# KiCad board thisoneinitiald.kicad_pcb (continued)
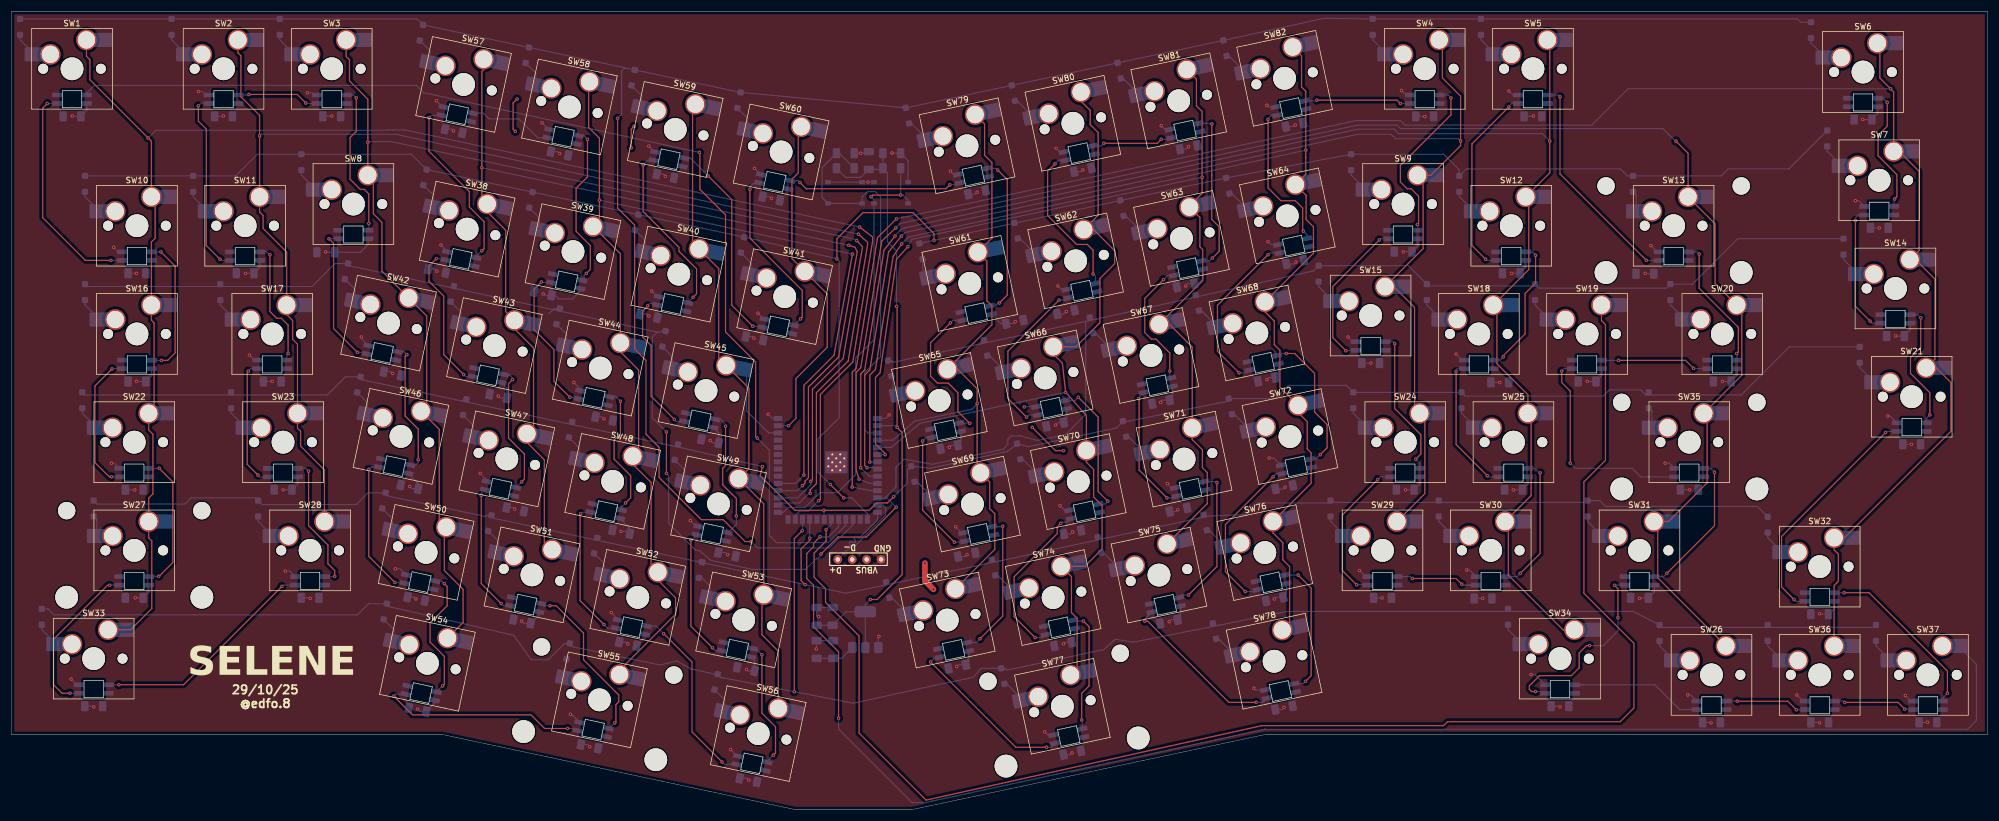
[diagram p0: board, top side]
## Placement (name value [footprint] x y rotation side) (continued)
SW80  SW_Push  [SW_Hotswap_Kailh_MX_Plated_1.00u]  188.29 126.31 12 top
SW81  SW_Push  [SW_Hotswap_Kailh_MX_Plated_1.00u]  206.93 130.27 12 top
SW82  SW_Push  [SW_Hotswap_Kailh_MX_Plated_1.00u]  225.56 134.23 12 top
U1  AMS1117-3.3  [SOT-223-3_TabPin2]  150.32 31.68 90 bottom
U2  -  [CUSTOM_USBC]  148.02 44.03 180 top
U3  -  [ESP32-S3-WROOM-1]  143.72 63.58 180 bottom

## Library data of the parts
C1-C7 LC1-LC82 = -: Description: Unpolarized capacitor; ki_fp_filters: C_*
D1-D82 = -: Description: Diode; Sim.Pins: 1=K 2=A; ki_fp_filters: TO-???* *_Diode_* *SingleDiode* D_*
LED1-LED82 = -: Datasheet: https://cdn-shop.adafruit.com/product-files/2686/SK6812MINI_REV.01-1-2.pdf; Description: RGB LED with integrated controller; ki_fp_filters: LED*SK6812MINI*PLCC*3.5x3.5mm*P1.75mm*
R1 R2 = -: Description: Resistor; ki_fp_filters: R_*
S1 S2 = -: MF: XKB Industrial Precision; MAXIMUM_PACKAGE_HEIGHT: 1.5mm; Package: Package; Price: None; Check_prices: https://www.snapeda.com/parts/TS-1187A-B-A-B/XKB+Connection/view-part/?ref=eda; STANDARD: Manufacturer Recommendations; PARTREV: A0; SnapEDA_Link: https://www.snapeda.com/parts/TS-1187A-B-A-B/XKB+Connection/view-part/?ref=snap; MP: TS-1187A-B-A-B; Description_1: TS-1187A-B-A-B XKB Connectivity; Availability: Not in stock; MANUFACTURER: XKB Industrial Precision
SW1-SW82 = -: Description: Push button switch, generic, two pins
U1 = -: Datasheet: http://www.advanced-monolithic.com/pdf/ds1117.pdf; Description: 1A Low Dropout regulator, positive, 3.3V fixed output, SOT-223; ki_fp_filters: SOT?223*TabPin2*
U3 = -: Datasheet: https://www.espressif.com/sites/default/files/documentation/esp32-s3-wroom-1_wroom-1u_datasheet_en.pdf; Description: RF Module, ESP32-S3 SoC, Wi-Fi 802.11b/g/n, Bluetooth, BLE, 32-bit, 3.3V, onboard antenna, SMD; ki_fp_filters: ESP32?S3?WROOM?1*

## Footprints (pads in the part's own frame, mm; a bottom-side part is the same pattern mirrored in y, then rotated)
C_1206_3216Metric_Pad1.33x1.80mm_HandSolder
  rrect 1.325x1.8 smd: 1(-1.562,0) 2(1.562,0)
CUSTOM_USBC
  round 1.524 hole 0.762: 1(-5.08,0) 2(-2.54,0) 3(0,0) 4(2.54,0)
D_SOD-123F
  rrect 1.1x1.1 smd: 1(-1.4,0) 2(1.4,0)
ESP32-S3-WROOM-1
  rect 0.9x0.9 smd: (-2.9,-3.86) (-2.9,-2.46) (-2.9,-1.06) (-1.5,-3.86) (-1.5,-2.46) (-1.5,-1.06) (-0.1,-3.86) (-0.1,-2.46) (-0.1,-1.06)
  rect 1.5x0.9 smd: 1(-8.75,5.26) 2(-8.75,3.99) 3(-8.75,2.72) 4(-8.75,1.45) 5(-8.75,0.18) 6(-8.75,-1.09) 7(-8.75,-2.36) 8(-8.75,-3.63) 9(-8.75,-4.9) 10(-8.75,-6.17) 11(-8.75,-7.44) 12(-8.75,-8.71) 13(-8.75,-9.98) 14(-8.75,-11.25) 27(8.75,-11.25) 28(8.75,-9.98) 29(8.75,-8.71) 30(8.75,-7.44) 31(8.75,-6.17) 32(8.75,-4.9) 33(8.75,-3.63) 34(8.75,-2.36) 35(8.75,-1.09) 36(8.75,0.18) 37(8.75,1.45) 38(8.75,2.72) 39(8.75,3.99) 40(8.75,5.26)
  rect 0.9x1.5 smd: 15(-6.985,-12.5) 16(-5.715,-12.5) 17(-4.445,-12.5) 18(-3.175,-12.5) 19(-1.905,-12.5) 20(-0.635,-12.5) 21(0.635,-12.5) 22(1.905,-12.5) 23(3.175,-12.5) 24(4.445,-12.5) 25(5.715,-12.5) 26(6.985,-12.5)
  round 0.6 hole 0.3: 41(-2.9,-3.16) 41(-2.9,-1.76) 41(-2.2,-3.86) 41(-2.2,-2.46) 41(-2.2,-1.06) 41(-1.5,-3.16) 41(-1.5,-1.76) 41(-0.8,-3.86) 41(-0.8,-2.46) 41(-0.8,-1.06) 41(-0.1,-3.16) 41(-0.1,-1.76)
  rect 3.9x3.9 smd: 41(-1.5,-2.46)
SK6812MINI-E
  rect 1.8x0.82 smd: 1(-2.6,0.75) 3(2.6,-0.75) 4(-2.6,-0.75)
  rrect 1.8x0.82 smd: 2(2.6,0.75)
SOT-223-3_TabPin2
  rrect 2x1.5 smd: 1(-3.15,2.3) 2(-3.15,0) 3(-3.15,-2.3)
  rrect 2x3.8 smd: 2(3.15,0)
SW_Hotswap_Kailh_MX_Plated_1.00u
  rrect 2.55x2.5 smd: (-9.625,-2.54) (3.302,0)
  round 1.75 hole 1.75 unplated: (-7.62,-5.08) (2.54,-5.08)
  round 4 hole 4 unplated: (-2.54,-5.08)
  round 3.6 hole 3.05: 1(0,0) 2(-6.35,-2.54)
  rrect 3.55x2.5 smd far side: 1(2.78,0) 2(-9.125,-2.54)
SW_Hotswap_Kailh_MX_Plated_1.25u
  rrect 2.55x2.5 smd: (-9.625,-2.54) (3.302,0)
  round 1.75 hole 1.75 unplated: (-7.62,-5.08) (2.54,-5.08)
  round 4 hole 4 unplated: (-2.54,-5.08)
  round 3.6 hole 3.05: 1(0,0) 2(-6.35,-2.54)
  rrect 3.55x2.5 smd far side: 1(2.78,0) 2(-9.125,-2.54)
SW_Hotswap_Kailh_MX_Plated_1.50u
  rrect 2.55x2.5 smd: (-9.625,-2.54) (3.302,0)
  round 1.75 hole 1.75 unplated: (-7.62,-5.08) (2.54,-5.08)
  round 4 hole 4 unplated: (-2.54,-5.08)
  round 3.6 hole 3.05: 1(0,0) 2(-6.35,-2.54)
  rrect 3.55x2.5 smd far side: 1(2.78,0) 2(-9.125,-2.54)
SW_Hotswap_Kailh_MX_Plated_1.75u
  rrect 2.55x2.5 smd: (-9.625,-2.54) (3.302,0)
  round 1.75 hole 1.75 unplated: (-7.62,-5.08) (2.54,-5.08)
  round 4 hole 4 unplated: (-2.54,-5.08)
  round 3.6 hole 3.05: 1(0,0) 2(-6.35,-2.54)
  rrect 3.55x2.5 smd far side: 1(2.78,0) 2(-9.125,-2.54)
SW_Hotswap_Kailh_MX_Plated_2.00u
  round 3.05 hole 3.05 unplated: (-14.44,1.92) (9.36,1.92)
  round 4 hole 4 unplated: (-14.44,-13.32) (-2.54,-5.08) (9.36,-13.32)
  rrect 2.55x2.5 smd: (-9.625,-2.54) (3.302,0)
  round 1.75 hole 1.75 unplated: (-7.62,-5.08) (2.54,-5.08)
  round 3.6 hole 3.05: 1(0,0) 2(-6.35,-2.54)
  rrect 3.55x2.5 smd far side: 1(2.78,0) 2(-9.125,-2.54)
SW_Hotswap_Kailh_MX_Plated_2.25u
  round 3.05 hole 3.05 unplated: (-14.44,1.92) (9.36,1.92)
  round 4 hole 4 unplated: (-14.44,-13.32) (-2.54,-5.08) (9.36,-13.32)
  rrect 2.55x2.5 smd: (-9.625,-2.54) (3.302,0)
  round 1.75 hole 1.75 unplated: (-7.62,-5.08) (2.54,-5.08)
  round 3.6 hole 3.05: 1(0,0) 2(-6.35,-2.54)
  rrect 3.55x2.5 smd far side: 1(2.78,0) 2(-9.125,-2.54)
SW_Hotswap_Kailh_MX_Plated_2.75u
  round 3.05 hole 3.05 unplated: (-14.44,1.92) (9.36,1.92)
  round 4 hole 4 unplated: (-14.44,-13.32) (-2.54,-5.08) (9.36,-13.32)
  rrect 2.55x2.5 smd: (-9.625,-2.54) (3.302,0)
  round 1.75 hole 1.75 unplated: (-7.62,-5.08) (2.54,-5.08)
  round 3.6 hole 3.05: 1(0,0) 2(-6.35,-2.54)
  rrect 3.55x2.5 smd far side: 1(2.78,0) 2(-9.125,-2.54)
SW_TS-1187A-B-A-B
  rect 1x0.75 smd: A(-3,1.875) B(3,1.875) C(-3,-1.875) D(3,-1.875)

## Nets
+3V3: C2.1 C3.1 C6.1 C7.1 R1.1 R2.1 U1.2 U3.2
+5V: C4.1 C5.1 LC1.1 LC2.1 LC3.1 LC4.1 LC5.1 LC6.1 LC7.1 LC8.1 LC9.1 LC10.1 LC11.1 LC12.1 LC13.1 LC14.1 LC15.1 LC16.1 LC17.1 LC18.1 LC19.1 LC20.1 LC21.1 LC22.1 LC23.1 LC24.1 LC25.1 LC26.1 LC27.1 LC28.1 LC29.1 LC30.1 LC31.1 LC32.1 LC33.1 LC34.1 LC35.1 LC36.1 LC37.1 LC38.1 LC39.1 LC40.1 LC41.1 LC42.1 LC43.1 LC44.1 LC45.1 LC46.1 LC47.1 LC48.1 LC49.1 LC50.1 LC51.1 LC52.1 LC53.1 LC54.1 LC55.1 LC56.1 LC57.1 LC58.1 LC59.1 LC60.1 LC61.1 LC62.1 LC63.1 LC64.1 LC65.1 LC66.1 LC67.1 LC68.1 LC69.1 LC70.1 LC71.1 LC72.1 LC73.1 LC74.1 LC75.1 LC76.1 LC77.1 LC78.1 LC79.1 LC80.1 LC81.1 LC82.1 LED1.4 LED2.4 LED3.4 LED4.4 LED5.4 LED6.4 LED7.4 LED8.4 LED9.4 LED10.4 LED11.4 LED12.4 LED13.4 LED14.4 LED15.4 LED16.4 LED17.4 LED18.4 LED19.4 LED20.4 LED21.4 LED22.4 LED23.4 LED24.4 LED25.4 LED26.4 LED27.4 LED28.4 LED29.4 LED30.4 LED31.4 LED32.4 LED33.4 LED34.4 LED35.4 LED36.4 LED37.4 LED38.4 LED39.4 LED40.4 LED41.4 LED42.4 LED43.4 LED44.4 LED45.4 LED46.4 LED47.4 LED48.4 LED49.4 LED50.4 LED51.4 LED52.4 LED53.4 LED54.4 LED55.4 LED56.4 LED57.4 LED58.4 LED59.4 LED60.4 LED61.4 LED62.4 LED63.4 LED64.4 LED65.4 LED66.4 LED67.4 LED68.4 LED69.4 LED70.4 LED71.4 LED72.4 LED73.4 LED74.4 LED75.4 LED76.4 LED77.4 LED78.4 LED79.4 LED80.4 LED81.4 LED82.4 U1.3 U2.2
GND: C1.2 C2.2 C3.2 C4.2 C5.2 C6.2 C7.2 LC1.2 LC2.2 LC3.2 LC4.2 LC5.2 LC6.2 LC7.2 LC8.2 LC9.2 LC10.2 LC11.2 LC12.2 LC13.2 LC14.2 LC15.2 LC16.2 LC17.2 LC18.2 LC19.2 LC20.2 LC21.2 LC22.2 LC23.2 LC24.2 LC25.2 LC26.2 LC27.2 LC28.2 LC29.2 LC30.2 LC31.2 LC32.2 LC33.2 LC34.2 LC35.2 LC36.2 LC37.2 LC38.2 LC39.2 LC40.2 LC41.2 LC42.2 LC43.2 LC44.2 LC45.2 LC46.2 LC47.2 LC48.2 LC49.2 LC50.2 LC51.2 LC52.2 LC53.2 LC54.2 LC55.2 LC56.2 LC57.2 LC58.2 LC59.2 LC60.2 LC61.2 LC62.2 LC63.2 LC64.2 LC65.2 LC66.2 LC67.2 LC68.2 LC69.2 LC70.2 LC71.2 LC72.2 LC73.2 LC74.2 LC75.2 LC76.2 LC77.2 LC78.2 LC79.2 LC80.2 LC81.2 LC82.2 LED1.2 LED2.2 LED3.2 LED4.2 LED5.2 LED6.2 LED7.2 LED8.2 LED9.2 LED10.2 LED11.2 LED12.2 LED13.2 LED14.2 LED15.2 LED16.2 LED17.2 LED18.2 LED19.2 LED20.2 LED21.2 LED22.2 LED23.2 LED24.2 LED25.2 LED26.2 LED27.2 LED28.2 LED29.2 LED30.2 LED31.2 LED32.2 LED33.2 LED34.2 LED35.2 LED36.2 LED37.2 LED38.2 LED39.2 LED40.2 LED41.2 LED42.2 LED43.2 LED44.2 LED45.2 LED46.2 LED47.2 LED48.2 LED49.2 LED50.2 LED51.2 LED52.2 LED53.2 LED54.2 LED55.2 LED56.2 LED57.2 LED58.2 LED59.2 LED60.2 LED61.2 LED62.2 LED63.2 LED64.2 LED65.2 LED66.2 LED67.2 LED68.2 LED69.2 LED70.2 LED71.2 LED72.2 LED73.2 LED74.2 LED75.2 LED76.2 LED77.2 LED78.2 LED79.2 LED80.2 LED81.2 LED82.2 S1.C S1.D S2.C S2.D U1.1 U2.1 U3.1 U3.40 U3.41
BOOT: R2.2 S2.A S2.B U3.27
COL 1: SW1.1 SW10.1 SW16.1 SW22.1 SW27.1 SW33.1 U3.25
COL 2: SW2.1 SW11.1 SW17.1 SW23.1 SW28.1 U3.28
COL 3: SW3.1 SW8.1 SW42.1 SW46.1 SW50.1 SW54.1 U3.29
COL 4: SW38.1 SW43.1 SW47.1 SW51.1 SW57.1 U3.30
COL 5: SW39.1 SW44.1 SW48.1 SW52.1 SW55.1 SW58.1 U3.31
COL 6: SW40.1 SW45.1 SW49.1 SW53.1 SW56.1 SW59.1 U3.38
COL 7: SW41.1 SW60.1 U3.39
COL 8: SW61.1 SW65.1 SW69.1 SW73.1 SW79.1 U3.4
COL 9: SW62.1 SW66.1 SW70.1 SW74.1 SW77.1 SW80.1 U3.5
COL 10: SW63.1 SW67.1 SW71.1 SW75.1 SW81.1 U3.6
COL 11: SW64.1 SW68.1 SW72.1 SW76.1 SW78.1 SW82.1 U3.7
COL 12: SW4.1 SW9.1 SW15.1 SW24.1 SW29.1 U3.8
COL 13: SW5.1 SW12.1 SW18.1 SW25.1 SW30.1 SW34.1 U3.9
COL 14: SW19.1 U3.20
COL 15: SW13.1 SW20.1 SW26.1 SW31.1 SW35.1 U3.10
COL 16: SW6.1 SW7.1 SW14.1 SW21.1 SW32.1 SW36.1 U3.11
COL 17: SW37.1 U3.19
D+: U2.4 U3.14
D-: U2.3 U3.13
LED DATA: LED1.3 U3.18
RESET: C1.1 R1.2 S1.A S1.B U3.3
ROW 1: D1.1 D2.1 D3.1 D4.1 D5.1 D6.1 D57.1 D58.1 D59.1 D60.1 D79.1 D80.1 D81.1 D82.1 U3.17
ROW 2: D7.1 D8.1 D9.1 D10.1 D11.1 D12.1 D13.1 D38.1 D39.1 D40.1 D41.1 D61.1 D62.1 D63.1 D64.1 U3.15
ROW 3: D14.1 D15.1 D16.1 D17.1 D18.1 D19.1 D20.1 D42.1 D43.1 D44.1 D45.1 D65.1 D66.1 D67.1 D68.1 U3.12
ROW 4: D21.1 D22.1 D23.1 D24.1 D25.1 D35.1 D46.1 D47.1 D48.1 D49.1 D69.1 D70.1 D71.1 D72.1 U3.21
ROW 5: D27.1 D28.1 D29.1 D30.1 D31.1 D32.1 D50.1 D51.1 D52.1 D53.1 D73.1 D74.1 D75.1 D76.1 U3.23
ROW 6: D26.1 D33.1 D34.1 D36.1 D37.1 D54.1 D55.1 D56.1 D77.1 D78.1 U3.24
Net-(D1-A): D1.2 SW1.2
Net-(D2-A): D2.2 SW2.2
Net-(D3-A): D3.2 SW3.2
Net-(D4-A): D4.2 SW4.2
Net-(D5-A): D5.2 SW5.2
Net-(D6-A): D6.2 SW6.2
Net-(D7-A): D7.2 SW7.2
Net-(D8-A): D8.2 SW8.2
Net-(D9-A): D9.2 SW9.2
Net-(D10-A): D10.2 SW10.2
Net-(D11-A): D11.2 SW11.2
Net-(D12-A): D12.2 SW12.2
Net-(D13-A): D13.2 SW13.2
Net-(D14-A): D14.2 SW14.2
Net-(D15-A): D15.2 SW15.2
Net-(D16-A): D16.2 SW16.2
Net-(D17-A): D17.2 SW17.2
Net-(D18-A): D18.2 SW18.2
Net-(D19-A): D19.2 SW19.2
Net-(D20-A): D20.2 SW20.2
Net-(D21-A): D21.2 SW21.2
Net-(D22-A): D22.2 SW22.2
Net-(D23-A): D23.2 SW23.2
Net-(D24-A): D24.2 SW24.2
Net-(D25-A): D25.2 SW25.2
Net-(D26-A): D26.2 SW26.2
Net-(D27-A): D27.2 SW27.2
Net-(D28-A): D28.2 SW28.2
Net-(D29-A): D29.2 SW29.2
Net-(D30-A): D30.2 SW30.2
Net-(D31-A): D31.2 SW31.2
Net-(D32-A): D32.2 SW32.2
Net-(D33-A): D33.2 SW33.2
Net-(D34-A): D34.2 SW34.2
Net-(D35-A): D35.2 SW35.2
Net-(D36-A): D36.2 SW36.2
Net-(D37-A): D37.2 SW37.2
Net-(D38-A): D38.2 SW38.2
Net-(D39-A): D39.2 SW39.2
Net-(D40-A): D40.2 SW40.2
Net-(D41-A): D41.2 SW41.2
Net-(D42-A): D42.2 SW42.2
Net-(D43-A): D43.2 SW43.2
Net-(D44-A): D44.2 SW44.2
Net-(D45-A): D45.2 SW45.2
Net-(D46-A): D46.2 SW46.2
Net-(D47-A): D47.2 SW47.2
Net-(D48-A): D48.2 SW48.2
Net-(D49-A): D49.2 SW49.2
Net-(D50-A): D50.2 SW50.2
Net-(D51-A): D51.2 SW51.2
Net-(D52-A): D52.2 SW52.2
Net-(D53-A): D53.2 SW53.2
Net-(D54-A): D54.2 SW54.2
Net-(D55-A): D55.2 SW55.2
Net-(D56-A): D56.2 SW56.2
Net-(D57-A): D57.2 SW57.2
Net-(D58-A): D58.2 SW58.2
Net-(D59-A): D59.2 SW59.2
Net-(D60-A): D60.2 SW60.2
Net-(D61-A): D61.2 SW61.2
Net-(D62-A): D62.2 SW62.2
Net-(D63-A): D63.2 SW63.2
Net-(D64-A): D64.2 SW64.2
Net-(D65-A): D65.2 SW65.2
Net-(D66-A): D66.2 SW66.2
Net-(D67-A): D67.2 SW67.2
Net-(D68-A): D68.2 SW68.2
Net-(D69-A): D69.2 SW69.2
Net-(D70-A): D70.2 SW70.2
Net-(D71-A): D71.2 SW71.2
Net-(D72-A): D72.2 SW72.2
Net-(D73-A): D73.2 SW73.2
Net-(D74-A): D74.2 SW74.2
Net-(D75-A): D75.2 SW75.2
Net-(D76-A): D76.2 SW76.2
Net-(D77-A): D77.2 SW77.2
Net-(D78-A): D78.2 SW78.2
Net-(D79-A): D79.2 SW79.2
Net-(D80-A): D80.2 SW80.2
Net-(D81-A): D81.2 SW81.2
Net-(D82-A): D82.2 SW82.2
Net-(LED1-DOUT): LED1.1 LED10.3
Net-(LED2-DOUT): LED2.1 LED3.3
Net-(LED3-DOUT): LED3.1 LED8.3
Net-(LED4-DIN): LED4.3 LED82.1
Net-(LED4-DOUT): LED4.1 LED9.3
Net-(LED6-DIN): LED6.3 LED7.1
Net-(LED10-DOUT): LED10.1 LED16.3
Net-(LED11-DIN): LED11.3 LED17.1
Net-(LED11-DOUT): LED2.3 LED11.1
Net-(LED12-DIN): LED12.3 LED18.1
Net-(LED12-DOUT): LED5.3 LED12.1
Net-(LED13-DIN): LED5.1 LED13.3
Net-(LED13-DOUT): LED13.1 LED20.3
Net-(LED14-DIN): LED14.3 LED21.1
Net-(LED14-DOUT): LED7.3 LED14.1
Net-(LED15-DIN): LED9.1 LED15.3
Net-(LED15-DOUT): LED15.1 LED24.3
Net-(LED16-DOUT): LED16.1 LED22.3
Net-(LED17-DIN): LED17.3 LED23.1
Net-(LED18-DIN): LED18.3 LED19.1
Net-(LED19-DIN): LED19.3 LED25.1
Net-(LED20-DOUT): LED20.1 LED26.3
Net-(LED21-DIN): LED21.3 LED32.1
Net-(LED22-DOUT): LED22.1 LED27.3
Net-(LED23-DIN): LED23.3 LED28.1
Net-(LED24-DOUT): LED24.1 LED29.3
Net-(LED25-DIN): LED25.3 LED30.1
Net-(LED26-DOUT): LED26.1 LED31.3
Net-(LED27-DOUT): LED27.1 LED33.3
Net-(LED28-DIN): LED28.3 LED33.1
Net-(LED29-DOUT): LED29.1 LED30.3
Net-(LED31-DOUT): LED31.1 LED34.3
Net-(LED32-DIN): LED32.3 LED37.1
Net-(LED34-DOUT): LED34.1 LED35.3
Net-(LED35-DOUT): LED35.1 LED36.3
Net-(LED36-DOUT): LED36.1 LED37.3
Net-(LED38-DIN): LED38.3 LED43.1
Net-(LED38-DOUT): LED38.1 LED57.3
Net-(LED39-DIN): LED39.3 LED59.1
Net-(LED39-DOUT): LED39.1 LED44.3
Net-(LED40-DIN): LED40.3 LED41.1
Net-(LED40-DOUT): LED40.1 LED60.3
Net-(LED41-DIN): LED41.3 LED45.1
Net-(LED42-DIN): LED8.1 LED42.3
Net-(LED42-DOUT): LED42.1 LED46.3
Net-(LED43-DIN): LED43.3 LED47.1
Net-(LED44-DOUT): LED44.1 LED48.3
Net-(LED45-DIN): LED45.3 LED49.1
Net-(LED46-DOUT): LED46.1 LED50.3
Net-(LED47-DIN): LED47.3 LED51.1
Net-(LED48-DOUT): LED48.1 LED52.3
Net-(LED49-DIN): LED49.3 LED53.1
Net-(LED50-DOUT): LED50.1 LED54.3
Net-(LED51-DIN): LED51.3 LED55.1
Net-(LED52-DOUT): LED52.1 LED56.3
Net-(LED53-DIN): LED53.3 LED56.1
Net-(LED54-DOUT): LED54.1 LED55.3
Net-(LED57-DOUT): LED57.1 LED58.3
Net-(LED58-DOUT): LED58.1 LED59.3
Net-(LED60-DOUT): LED60.1 LED79.3
Net-(LED61-DIN): LED61.3 LED79.1
Net-(LED61-DOUT): LED61.1 LED65.3
Net-(LED62-DIN): LED62.3 LED66.1
Net-(LED62-DOUT): LED62.1 LED80.3
Net-(LED63-DIN): LED63.3 LED81.1
Net-(LED63-DOUT): LED63.1 LED67.3
Net-(LED64-DIN): LED64.3 LED68.1
Net-(LED64-DOUT): LED64.1 LED82.3
Net-(LED65-DOUT): LED65.1 LED69.3
Net-(LED66-DIN): LED66.3 LED70.1
Net-(LED67-DOUT): LED67.1 LED71.3
Net-(LED68-DIN): LED68.3 LED72.1
Net-(LED69-DOUT): LED69.1 LED73.3
Net-(LED70-DIN): LED70.3 LED74.1
Net-(LED71-DOUT): LED71.1 LED75.3
Net-(LED72-DIN): LED72.3 LED76.1
Net-(LED73-DOUT): LED73.1 LED77.3
Net-(LED74-DIN): LED74.3 LED77.1
Net-(LED75-DOUT): LED75.1 LED78.3
Net-(LED76-DIN): LED76.3 LED78.1
Net-(LED80-DOUT): LED80.1 LED81.3

Pads without a net: LED6 1; U3 16 22 26 32 33 34 35 36 37

## Via types
v1: diameter 0.6, hole 0.3, Top to Bottom, 370 vias

## Routing (per net, layer and track width the routed paths; a pad name or vN(x,y) marks a point on that pad's centre or on a via; arc(x,y) is an arc through that point)
+3V3: length 114.5
  Top w0.2: v1(155.82,88.58) 155.92,88.48 v1(155.92,67.28) 156.82,66.38 156.82,41.38 152.42,36.98 v1(151.22,36.98)
  Bottom w0.2: v1(155.92,67.28) 155.63,67.57 U3.2 ; R2.1 153.21,112.69 C7.1 149.53,111.28 146.86,111.28 R1.1 ; R2.1 154.22,112.12 154.22,99.98 155.82,98.38 v1(155.82,88.58) ; R2.1 C6.1 ; U1.2 U1.2 ; U1.2 146.96,34.83 C2.1 C3.1 ; U1.2 150.32,36.08 v1(151.22,36.98)
+5V: length 32
  Top w0.2: 109.12,116.38 v1(109.12,116.48) 109.12,119.78 109.47,120.13 ; 109.47,120.13 109.52,120.18 ; 109.47,120.13 v1(109.62,120.28) ; v1(179.72,67.28) 179.82,67.18 ; 179.82,67.18 179.77,67.23 ; 179.82,67.18 183.82,63.18 v1(185.22,63.18) ; v1(88.72,119.38) 88.32,119.78 88.32,124.38 v1(89.02,125.08)
  Top w1: v1(162.32,38.78) 160.82,40.28 v1(160.82,43.38)
  Bottom w0.2: U1.3 146.11,26.63 C4.1 C5.1 ; LED66.4 178.37,70.93 v1(178.32,70.88)
GND: length 362.1
  Bottom w0.2: v1(184.62,53.48) 185.41,52.7 LED70.2 ; v1(330.32,69.28) 330.72,69.28 LED21.2 ; LC64.2 225.79,96.05 v1(226.12,96.38) ; v1(263.62,126.48) 264.31,125.79 265.25,125.79 ; LED20.2 279.98,76.4 LC20.2 277.44,75.36 v1(277.42,75.38) ; v1(77.82,119.48) 77.52,119.78 LC57.2 ; LED50.2 68.45,42.38 v1(67.62,42.38) ; v1(259.02,37.18) 259,37.16 LC30.2 ; v1(133.82,107.58) 133.5,107.9 LC60.2 ; LC21.2 334.49,64.31 v1(334.52,64.28) ; v1(48.22,41.98) 49.03,41.98 LED28.2 ; v1(152.72,30.48) 152.62,30.38 U1.1 ; LC72.2 223.87,56.43 v1(224.22,56.78) ; LED67.2 204.44,72.62 LC67.2 202.52,72.08 202.32,71.88 v1(202.32,71.68) ; LC29.2 241.3,37.26 v1(241.32,37.28) ; S2.D 157.86,114.23 C6.2 155.06,115.54 v1(155.02,115.58) ; LED56.2 130.84,26.23 LC56.2 129.69,24.41 v1(129.42,24.68) ; v1(112.72,91.28) 113.72,90.29 LED45.2 ; S1.C S1.D S2.C ; LC10.2 21.99,94.41 v1(22.02,94.38) ; LC55.2 101.44,11.46 v1(101.82,11.08) ; v1(267.52,23.78) 268.2,23.78 LED34.2 ; v1(291.12,60.98) 291.87,60.98 LED26.2 ; v1(107.32,48.98) 108.46,48.98 LC44.2 108.88,49.51 LED44.2 ; v1(325.92,121.48) 325.94,121.46 LC6.2 328.56,122.5 LED6.2 ; LED51.2 92.92,34.3 LC51.2 90.19,32.81 v1(89.82,33.18) ; LC81.2 206.79,116.26 v1(207.22,116.68) ; LED52.2 127.79,9.42 v1(126.62,10.58) ; LC80.2 188.33,112.3 v1(188.62,112.58) ; LC2.2 37.27,122.03 v1(37.32,122.08) ; v1(141.72,28.28) 141.77,28.33 C5.2 C4.2 ; v1(224.02,17.98) 223.64,17.61 LC78.2 ; v1(239.32,78.58) 239.3,78.6 LC15.2 ; LED46.2 71.61,57.43 LC46.2 70.52,56.49 v1(70.12,56.88) ; v1(165.32,112.38) 165.91,111.8 LED79.2 ; v1(22.02,75.38) 22.04,75.36 LC16.2 24.71,76.4 LED16.2 ; v1(166.22,49.78) 167.27,48.74 LED69.2 ; v1(55.32,98.18) 55.4,98.1 LC8.2 61.44,98.1 62.82,99.48 62.81,99.49 LED8.2 ; v1(123.02,64.98) 123.46,64.54 LC49.2 124.52,66.29 LED49.2 ; LED9.2 247.59,99.26 LC9.2 245.06,98.22 v1(245.02,98.18) ; LED10.2 18.83,98.17 v1(18.02,98.98) ; LED63.2 209.79,93.49 208.92,92.62 LC63.2 207.15,92.62 v1(206.72,92.18) ; LED1.2 13.28,123.07 LC1.2 10.77,122.03 v1(10.72,122.08) ; v1(295.12,20.18) 295.62,20.18 LED35.2 ; v1(333.42,20.08) 334.39,19.11 LED37.2 ; LED13.2 303.79,76.4 LC13.2 301.24,75.36 v1(301.22,75.38) ; v1(32.92,126.38) 33.62,126.38 34.21,125.79 LED2.2 ; v1(324.62,107.18) 325.2,107.18 LED7.2 ; LED27.2 24.23,38.3 LC27.2 21.84,37.26 v1(21.82,37.28) ; v1(299.22,15.28) 299.15,15.35 LC35.2 ; v1(98.42,16.78) 98.6,16.78 LED55.2 ; LED33.2 11.53,21.97 v1(10.52,22.98) ; v1(154.52,69.48) 153.88,68.84 U3.1 ; v1(119.52,50.88) 120.56,49.85 LED53.2 ; v1(165.12,63.78) 165.49,64.16 LC65.2 167.17,64.7 LED65.2 ; v1(181.92,13.68) 182.46,13.15 LED77.2 ; v1(112.22,86.88) 111.87,87.23 LC45.2 ; C1.2 150.67,115.54 C7.2 ; LED31.2 289.22,38.3 LC31.2 286.7,37.26 v1(286.62,37.18) ; LED82.2 221.32,123.68 v1(221.02,123.98) ; LC34.2 272.49,18.21 v1(272.62,18.08) ; LED78.2 219.03,21.07 v1(218.72,21.38) ; LC28.2 52.54,37.26 v1(52.62,37.18) ; v1(93.62,90.78) 93.86,90.55 LC59.2 95.66,90.55 96.32,89.88 98.74,89.88 100.14,91.28 LED59.2 ; v1(56.42,122.08) 56.37,122.03 LC3.2 ; v1(221.42,61.88) 222.23,61.88 LED72.2 ; LED58.2 94.59,119.72 v1(93.42,120.88) ; LC69.2 167.88,44.55 v1(168.22,44.88) ; LED81.2 203.08,119.72 v1(202.42,120.38) ; LC19.2 262,75.2 v1(262.02,75.18) ; v1(221.22,99.98) 221.74,99.47 LED64.2 ; v1(17.62,60.98) 18.12,60.98 LED22.2 ; LC70.2 186.44,48.51 v1(186.82,48.88) ; v1(185.22,29.18) 185.5,29.47 LC74.2 187.2,30.01 LED74.2 ; 145.02,35.57 C2.2 C3.2 141.77,34.03 141.82,33.98 v1(142.12,33.98) ; v1(115.12,111.48) 114.74,111.86 LC41.2 ; LC36.2 318.25,15.35 v1(318.32,15.28) ; v1(185.72,87.68) 185.29,87.25 LC62.2 ; v1(41.92,79.98) 42.78,79.12 LED17.2 ; LC47.2 88.33,53.18 v1(88.62,52.88) ; LED29.2 238.38,41.02 v1(237.32,42.08) ; v1(235.32,83.18) 236.14,82.36 LED15.2 ; v1(85.72,72.78) 86.04,72.46 LC43.2 87.25,74.22 LED43.2 ; v1(45.92,75.38) 45.9,75.36 LC17.2 ; v1(61.62,83.18) 61.62,82.94 LED42.2 ; LC33.2 14.39,18.21 v1(14.52,18.08) ; LC79.2 169.67,108.34 v1(170.02,108.68) ; v1(264.42,56.28) 264.45,56.31 LC25.2 267.03,57.35 LED25.2 ; LED60.2 131.92,111.79 v1(130.82,112.88) ; LED38.2 76.73,98.27 v1(75.62,99.38) ; LC4.2 248.77,122.03 v1(248.82,121.98) ; v1(244.72,126.58) 245.51,125.79 LED4.2 ; v1(331.72,83.38) 331.74,83.36 LC14.2 334.27,84.4 LED14.2 ; v1(21.72,56.28) 21.69,56.31 LC22.2 ; v1(41.22,94.38) 41.25,94.41 LC11.2 43.76,95.45 LED11.2 ; LC77.2 186.42,9.69 v1(186.72,9.98) ; LED39.2 100.16,74.04 v1(99.02,75.18) ; LC37.2 337.29,15.35 v1(337.32,15.38) ; LC5.2 287.68,94.32 v1(287.62,94.38) ; LED80.2 184.55,115.76 v1(183.92,116.38) ; v1(96.52,115.48) 96.18,115.82 LC58.2 ; LED57.2 75.93,123.68 v1(74.82,124.78) ; v1(205.32,52.78) 205,52.47 LC71.2 ; LED71.2 204.25,56.65 v1(203.52,57.38) ; LC82.2 225.75,120.22 v1(226.02,120.48) ; v1(264.12,94.38) 264.15,94.41 LC18.2 266.64,95.45 LED18.2 ; U3.40 133.96,68.84 v1(133.22,69.58) ; LC7.2 328.79,102.41 v1(328.82,102.38) ; LED5.2 289.73,98.17 v1(288.62,99.28) ; v1(267.92,122.08) 267.87,122.03 LC12.2 ; LC38.2 74.55,95.16 v1(74.92,94.78) ; LC48.2 108.2,29.5 v1(108.52,29.18) ; LED36.2 315.39,19.11 v1(314.32,20.18) ; v1(126.12,44.88) 125.75,45.25 LC53.2 ; LED23.2 50.43,57.35 LC23.2 47.85,56.31 v1(47.82,56.28) ; v1(245.42,56.28) 245.45,56.31 LC24.2 247.98,57.35 LED24.2 ; LC52.2 129.48,5.52 v1(129.82,5.18) ; LED66.2 185.8,68.66 LC66.2 184.25,68.12 v1(183.82,67.68) ; LC42.2 66.83,77.07 v1(67.12,76.78) ; LED3.2 53.31,125.79 52.92,126.18 v1(52.12,126.18) ; LED62.2 184.86,91.55 v1(184.22,92.18) ; LED32.2 320.94,35.44 LC32.2 318.4,34.4 v1(318.32,34.48) ; LED48.2 106.78,33.53 v1(105.62,34.68) ; v1(256.22,42.18) 256.66,42.18 LED30.2 ; v1(176.72,85.88) 176.38,85.54 LC61.2 174.19,85.54 LED61.2 ; LED73.2 168.57,26.05 LC73.2 166.74,25.5 v1(166.42,25.18) ; LED41.2 113.25,115.75 v1(112.22,116.78) ; v1(295.42,56.28) 295.39,56.31 LC26.2 ; LC39.2 103.95,69.15 v1(104.32,68.78) ; LED54.2 74.51,18.73 LC54.2 71.96,17.25 v1(71.52,17.68) ; LED40.2 132.48,86.33 v1(131.42,87.38) ; v1(221.02,75.68) 221.38,76.04 LC68.2 223.07,76.59 LED68.2 ; v1(71.22,37.08) 70.88,37.42 LC50.2 ; LC40.2 130.43,83.27 v1(130.72,82.98) ; v1(222.32,37.08) 222.62,37.39 LC76.2 224.47,37.93 LED76.2 ; LED47.2 83.71,57.99 v1(82.52,59.18) ; LED19.2 255.38,79.12 v1(254.32,80.18) ; LED75.2 205.84,33.97 LC75.2 204.16,33.43 v1(203.82,33.08)
  vias: v1(149.52,115.54) v1(150.82,110.46)
BOOT: length 79.2
  Top w0.2: v1(156.55,108.18) 151.62,108.18 v1(151.32,107.88)
  Bottom w0.2: R2.2 v1(156.55,108.18) 156.95,108.18 157.86,107.28 S2.B ; v1(151.32,107.88) 151.86,107.35 S2.A 151.86,82.72 148.62,79.48 148.62,58.98 145.42,55.78 142.32,55.78 139.72,53.18 136.77,53.18 135.92,52.33 U3.27
COL 1: length 301.6
  Top w0.2: SW1.1 13.22,132.58 13.82,131.98 13.82,128.48 24.65,117.65 SW10.1 25.32,107.19 25.32,100.58 24.65,99.91 SW16.1 24.65,86.15 25.12,85.68 25.12,70.71 SW22.1 24.17,66.83 24.92,66.08 24.92,55.58 24.17,54.84 SW27.1 24.17,47.83 24.72,47.28 24.72,35.38 21,31.66 SW33.1 ; v1(149.32,102.54) 151.61,100.8 151.61,100.08 148.12,78.78 142.42,73.08 142.42,54.68 v1(142.12,54.38)
  Bottom w0.2: v1(24.07,118.23) 25.42,119.58 66.12,119.58 66.17,119.63 69.2,119.63 69.22,119.65 v1(149.32,102.54) ; U3.25 138.01,51.77 138.82,52.58 140.32,52.58 v1(142.12,54.38)
COL 2: length 254.4
  Top w0.2: SW2.1 39.89,133.21 40.42,132.68 40.42,125.48 43.7,122.2 SW11.1 43.7,105.2 44.32,104.58 44.32,102.28 48.46,98.14 SW17.1 48.46,87.14 49.52,86.08 49.52,82.78 50.37,81.94 SW23.1 50.37,67.14 50.92,66.58 50.92,63.98 55.12,59.78 55.12,50.72 SW28.1 ; v1(149.12,101.28) 150.72,99.88 150.72,99.38 147.32,78.98 141.72,73.38 141.72,57.38 140.62,56.28 v1(140.62,55.68)
  Bottom w0.2: U3.28 135.35,53.98 138.72,53.98 140.42,55.68 v1(140.62,55.68) ; v1(43.7,118.58) 44,118.88 67.62,118.88 v1(149.12,101.28)
COL 3: length 256.8
  Top w0.2: 62.75,118.28 62.75,118.31 ; 62.75,118.28 62.75,125.05 59.52,128.28 59.52,131.98 58.94,132.56 SW3.1 ; 62.75,118.28 SW8.1 63.72,110.7 63.72,104.88 65.22,103.38 65.22,94.8 SW42.1 73.12,86.9 73.12,71.14 SW46.1 75.32,66.95 75.32,50.96 SW50.1 76.22,49.39 76.22,42.08 79.52,38.78 79.52,32.94 SW54.1 ; v1(140.72,57.78) 141.02,58.08 141.02,73.98 146.42,79.38 149.81,98.88 149.81,99.09 v1(148.81,100.18)
  Bottom w0.2: U3.29 138.41,54.87 140.72,57.18 v1(140.72,57.78) ; v1(62.75,117.48) 62.85,117.58 66.82,117.58 148.22,100.46 v1(148.81,100.18)
COL 4: length 209.3
  Top w0.2: SW51.1 93.82,47.13 93.82,61.58 90.76,64.64 SW47.1 91.92,67.34 91.92,81.28 88.57,84.63 SW43.1 87.02,87.67 87.02,101.98 83.77,105.23 SW38.1 82.82,107.57 82.82,129.94 83.14,130.26 SW57.1 ; v1(139.27,57.03) 139.72,57.48 139.72,57.83 140.32,58.43 140.32,74.38 145.62,79.68 148.91,98.18 148.52,98.98 v1(147.42,99.33)
  Bottom w0.2: v1(139.27,57.03) 138.38,56.14 U3.30 ; v1(147.42,99.33) v1(82.82,112.98)
COL 5: length 208.7
  Top w0.2: v1(148.06,97.78) 144.82,79.98 139.52,74.68 v1(139.52,58.88) ; SW58.1 101.62,127.97 101.62,120.08 103.52,118.18 v1(103.52,107.28) 103.52,103.77 SW39.1 107.21,97.86 SW44.1 107.21,80.6 110.42,77.38 110.42,63.25 SW48.1 109.39,60.81 112.62,57.58 112.62,43 SW52.1 113.82,40.39 116.92,37.28 116.92,34.38 107.06,24.53 SW55.1
  Bottom w0.2: U3.31 138.05,57.41 v1(139.52,58.88) ; v1(103.52,107.28) v1(148.06,97.78)
COL 6: length 129.5
  Top w0.2: SW59.1 119.92,123.67 119.92,99.82 SW40.1 124.52,95.22 124.52,79.51 SW45.1 129.83,74.2 129.83,60.06 SW49.1 132.45,53.83 SW53.1 132.12,37.51 132.12,30.78 135.01,27.89 SW56.1
  Bottom w0.2: U3.38 133.3,66.3 129.42,70.18 129.42,76.75 SW45.1
COL 7: length 60.5
  Top w0.2: v1(136.82,67.58) 138.12,68.88 138.12,75.88 143.62,81.38 143.62,90.79 SW41.1 137.42,96.99 137.42,110.98 138.52,112.08 138.52,119.68 SW60.1
  Bottom w0.2: v1(136.82,67.58) 134.98,67.58 U3.39
COL 8: length 116.8
  Top w0.2: SW79.1 171.32,120.69 171.32,115.18 172.62,113.88 172.62,100.61 SW61.1 171.72,96.55 171.72,89.57 172.62,88.67 172.62,85.35 SW65.1 166.59,77.52 170.02,74.08 170.02,59.87 SW69.1 172.22,57.67 172.22,52.98 173.12,52.08 173.12,45.8 SW73.1
  Bottom w0.2: U3.4 155.17,65.03 159.02,68.38 169.12,70.48 170.02,71.38
  vias: v1(170.02,71.48)
COL 9: length 160.5
  Top w0.2: SW80.1 188.29,124.71 189.92,123.08 189.92,120.58 191.32,119.18 191.32,104.64 SW62.1 190.51,102.09 194.22,98.38 194.22,96.08 191.62,93.48 191.62,85.68 187.41,81.48 SW66.1 183.42,80.19 185.02,78.58 v1(185.6,73.46) 189.24,69.36 SW70.1 189.24,61.16 190.52,59.88 190.52,55.03 192.02,53.53 192.02,45.88 188.96,42.82 SW74.1 186.62,41.02 186.62,34.68 187.62,33.68 187.62,24.87 SW77.1
  Bottom w0.2: v1(185.6,73.46) 159.92,67.98 154.9,63.76 U3.5
COL 10: length 190.8
  Top w0.2: SW81.1 208.62,128.58 208.62,123.88 209.62,122.88 209.62,108.48 207.41,106.27 SW63.1 209.22,104.24 209.22,99.08 209.72,98.58 209.72,93.11 SW67.1 203.87,85.44 207.88,81.43 SW71.1 207.88,65.13 209.67,63.33 209.67,60.19 210.52,59.34 210.52,53.85 SW75.1 ; v1(157.82,99.08) 155.82,96.88 152.92,76.88 152.12,76.08 152.12,64.38 153.82,62.68 v1(153.82,62.48)
  Bottom w0.2: v1(153.82,62.48) 152.48,62.48 U3.6 ; v1(157.82,99.08) 158.52,100.38 v1(209.62,111.32)
COL 11: length 231.4
  Top w0.2: 227.86,114.78 227.86,111.83 SW64.1 227.92,108.14 227.92,103.88 229.22,102.58 229.22,97.93 SW68.1 220.69,87.62 222.32,85.98 222.32,81.85 223.32,80.85 223.32,74.35 SW72.1 226.51,69.89 228.12,68.28 228.12,63.48 228.81,62.79 228.81,57.47 SW76.1 222.09,48.72 223.82,46.98 223.82,43.98 225.02,42.78 225.02,32.92 SW78.1 ; 227.86,114.78 227.86,114.88 ; 227.86,114.78 227.86,126.44 227.12,127.18 227.12,132.67 SW82.1 ; v1(156.72,99.58) 155.22,97.38 152.12,77.48 151.12,76.48 v1(151.12,61.18)
  Bottom w0.2: v1(151.12,61.18) 152.43,61.18 U3.7 ; v1(156.72,99.58) 157.92,100.78 v1(227.86,116.08)
COL 12: length 245.3
  Top w0.2: v1(156.67,100.93) 154.42,98.18 151.12,77.38 150.22,76.48 150.22,60.58 v1(150.62,60.18) ; SW4.1 251.92,134.91 251.92,128.78 255.12,125.58 255.12,117.48 ; 255.12,117.48 255.12,117.58 ; 255.12,117.48 255.12,116.88 249.91,111.67 SW9.1 248.52,110.69 248.52,98.75 SW15.1 243.35,92.05 247.02,88.38 247.02,70.66 SW24.1 248.82,68.86 248.82,55.62 SW29.1
  Bottom w0.2: U3.8 152.24,60.18 v1(150.62,60.18) ; v1(156.67,100.93) 157.32,101.58 237.02,118.88 242.82,118.88 243.72,118.08 254.72,118.08 v1(255.12,117.68)
COL 13: length 283.6
  Top w0.2: SW34.1 273.14,31.66 263.52,41.28 263.52,50.16 SW30.1 267.52,55.27 267.52,69.21 SW25.1 266.97,73.04 261.52,78.48 261.52,88.16 SW18.1 267.12,95.06 267.12,107.33 SW12.1 270.82,112.1 270.82,135.06 SW5.1 ; v1(149.52,60.18) 149.52,76.68 150.22,77.38 153.62,98.48 v1(155.56,100.95)
  Bottom w0.2: v1(270.82,117.68) 269.52,118.98 244.12,118.98 243.42,119.78 237.02,119.78 157.22,102.38 156.52,102.08 v1(155.56,100.95) ; U3.9 151.02,58.68 v1(149.52,60.18)
